# Altium PCB AIWAC_A33_RGB5寸LCD驱动板_20190109.PcbDoc (part 2 of 14)
Units mm, origin at the board's own origin, x right, y up, seen from the top; angles counter-clockwise.
Board outline 96.45 x 44.9 mm, 2 copper layers (Top Layer, Bottom Layer); 32 components, 42 nets, 22766 pads, 749 vias.
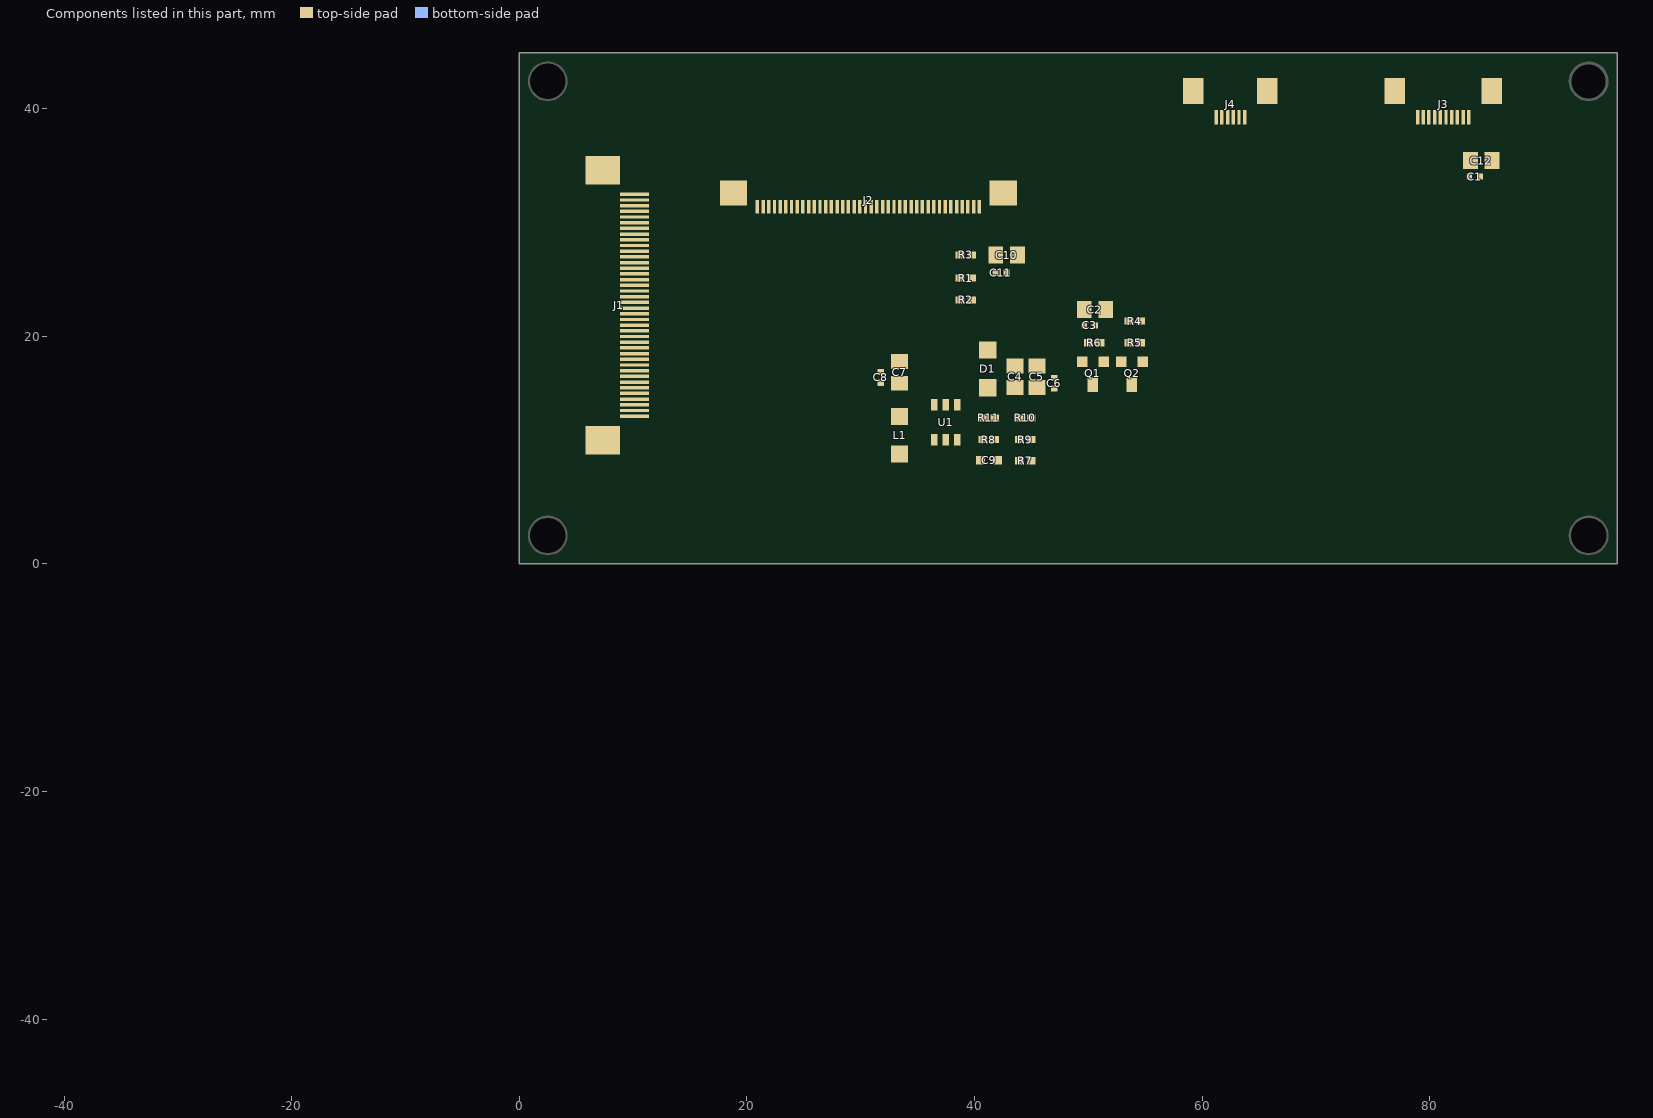
[diagram p2: the components of this part, seen from the top]

## Free pads (board coordinates) (continued)
  round 0 on Mech8: 1(-39.052,-44.118) 1(-39.052,-44.118) 1(-39.052,-44.118) 1(-39.052,-44.113) 1(-39.052,-44.113) 1(-39.052,-44.113) 1(-39.052,-44.123) 1(-39.052,-44.123) 1(-39.052,-44.123) 1(-39.052,-44.123) 1(-39.052,-44.123) 1(-39.052,-44.123) 1(-39.052,-44.118) 1(-39.052,-44.118) 1(-39.052,-44.118) 1(-39.052,-44.117) 1(-39.052,-44.117) 1(-39.052,-44.117) 1(-39.052,-44.117) 1(-39.052,-44.117) 1(-39.052,-44.117) 1(-39.052,-44.113) 1(-39.052,-44.113) 1(-39.052,-44.113) 1(-39.051,-44.123) 1(-39.051,-44.123) 1(-39.051,-44.123) 1(-39.051,-44.118) 1(-39.051,-44.118) 1(-39.051,-44.118) 1(-39.051,-44.117) 1(-39.051,-44.117) 1(-39.051,-44.117) 1(-39.051,-44.113) 1(-39.051,-44.113) 1(-39.051,-44.113) 1(-39.051,-44.111) 1(-39.051,-44.111) 1(-39.051,-44.111) 1(-39.051,-44.111) 1(-39.051,-44.111) 1(-39.051,-44.111) 1(-39.051,-44.103) 1(-39.051,-44.103) 1(-39.051,-44.103) 1(-39.051,-44.103) 1(-39.051,-44.103) 1(-39.051,-44.103) 1(-39.051,-44.123) 1(-39.051,-44.123) 1(-39.051,-44.123) 1(-39.051,-44.123) 1(-39.051,-44.123) 1(-39.051,-44.123) 1(-39.051,-44.118) 1(-39.051,-44.118) 1(-39.051,-44.118) 1(-39.051,-44.118) 1(-39.051,-44.118) 1(-39.051,-44.118) 1(-39.051,-44.117) 1(-39.051,-44.117) 1(-39.051,-44.117) 1(-39.051,-44.117) 1(-39.051,-44.117) 1(-39.051,-44.117) 1(-39.051,-44.113) 1(-39.051,-44.113) 1(-39.051,-44.113) 1(-39.051,-44.113) 1(-39.051,-44.113) 1(-39.051,-44.113) 1(-39.05,-44.122) 1(-39.05,-44.122) 1(-39.05,-44.122) 1(-39.05,-44.12) 1(-39.05,-44.12) 1(-39.05,-44.12) 1(-39.05,-44.116) 1(-39.05,-44.116) 1(-39.05,-44.116) 1(-39.05,-44.114) 1(-39.05,-44.114) 1(-39.05,-44.114) 1(-39.047,-44.139) 1(-39.047,-44.139) 1(-39.047,-44.139) 1(-39.047,-44.139) 1(-39.047,-44.139) 1(-39.047,-44.139) 1(-39.047,-44.137) 1(-39.047,-44.137) 1(-39.047,-44.137) 1(-39.047,-44.137) 1(-39.047,-44.137) 1(-39.047,-44.137) 1(-39.045,-44.122) 1(-39.045,-44.122) 1(-39.045,-44.122) 1(-39.045,-44.116) 1(-39.045,-44.116) 1(-39.045,-44.116) 1(-39.045,-44.111) 1(-39.045,-44.111) 1(-39.045,-44.111) 1(-39.045,-44.111) 1(-39.045,-44.111) 1(-39.045,-44.111) 1(-39.045,-44.109) 1(-39.045,-44.109) 1(-39.045,-44.109) 1(-39.045,-44.105) 1(-39.045,-44.105) 1(-39.045,-44.105) 1(-39.045,-44.103) 1(-39.045,-44.103) 1(-39.045,-44.103) 1(-39.045,-44.103) 1(-39.045,-44.103) 1(-39.045,-44.103) 1(-39.045,-44.12) 1(-39.045,-44.12) 1(-39.045,-44.12) 1(-39.045,-44.114) 1(-39.045,-44.114) 1(-39.045,-44.114) 1(-39.045,-44.104) 1(-39.045,-44.104) 1(-39.045,-44.104) 1(-39.045,-44.104) 1(-39.045,-44.104) 1(-39.045,-44.104) 1(-39.045,-44.103) 1(-39.045,-44.103) 1(-39.045,-44.103) 1(-39.045,-44.102) 1(-39.045,-44.102) 1(-39.045,-44.102) 1(-39.045,-44.101) 1(-39.045,-44.101) 1(-39.045,-44.101) 1(-39.045,-44.101) 1(-39.045,-44.101) 1(-39.045,-44.101) 1(-39.044,-44.139) 1(-39.044,-44.139) 1(-39.044,-44.139) 1(-39.044,-44.139) 1(-39.044,-44.139) 1(-39.044,-44.139) 1(-39.044,-44.137) 1(-39.044,-44.137) 1(-39.044,-44.137) 1(-39.044,-44.137) 1(-39.044,-44.137) 1(-39.044,-44.137) 1(-39.044,-44.104) 1(-39.044,-44.104) 1(-39.044,-44.104) 1(-39.044,-44.104) 1(-39.044,-44.104) 1(-39.044,-44.104) 1(-39.044,-44.103) 1(-39.044,-44.103) 1(-39.044,-44.103) 1(-39.044,-44.102) 1(-39.044,-44.102) 1(-39.044,-44.102) 1(-39.044,-44.101) 1(-39.044,-44.101) 1(-39.044,-44.101) 1(-39.044,-44.101) 1(-39.044,-44.101) 1(-39.044,-44.101) 1(-39.043,-44.104) 1(-39.043,-44.104) 1(-39.043,-44.104) 1(-39.043,-44.104) 1(-39.043,-44.104) 1(-39.043,-44.104) 1(-39.043,-44.103) 1(-39.043,-44.103) 1(-39.043,-44.103) 1(-39.043,-44.102) 1(-39.043,-44.102) 1(-39.043,-44.102) 1(-39.043,-44.101) 1(-39.043,-44.101) 1(-39.043,-44.101) 1(-39.043,-44.101) 1(-39.043,-44.101) 1(-39.043,-44.101) 1(-39.043,-44.138) 1(-39.043,-44.138) 1(-39.043,-44.138) 1(-39.043,-44.138) 1(-39.043,-44.138) 1(-39.043,-44.138) 1(-39.043,-44.137) 1(-39.043,-44.137) 1(-39.043,-44.137) 1(-39.043,-44.136) 1(-39.043,-44.136) 1(-39.043,-44.136) 1(-39.043,-44.135) 1(-39.043,-44.135) 1(-39.043,-44.135) 1(-39.043,-44.135) 1(-39.043,-44.135) 1(-39.043,-44.135) 1(-39.042,-44.127) 1(-39.042,-44.127) 1(-39.042,-44.127) 1(-39.042,-44.127) 1(-39.042,-44.127) 1(-39.042,-44.127) 1(-39.042,-44.126) 1(-39.042,-44.126) 1(-39.042,-44.126) 1(-39.042,-44.125) 1(-39.042,-44.125) 1(-39.042,-44.125) 1(-39.042,-44.124) 1(-39.042,-44.124) 1(-39.042,-44.124) 1(-39.042,-44.124) 1(-39.042,-44.124) 1(-39.042,-44.124) 1(-39.042,-44.104) 1(-39.042,-44.104) 1(-39.042,-44.104) 1(-39.042,-44.104) 1(-39.042,-44.104) 1(-39.042,-44.104) 1(-39.042,-44.103) 1(-39.042,-44.103) 1(-39.042,-44.103) 1(-39.042,-44.102) 1(-39.042,-44.102) 1(-39.042,-44.102) 1(-39.042,-44.101) 1(-39.042,-44.101) 1(-39.042,-44.101) 1(-39.042,-44.101) 1(-39.042,-44.101) 1(-39.042,-44.101) 1(-39.042,-44.135) 1(-39.042,-44.135) 1(-39.042,-44.135) 1(-39.042,-44.135) 1(-39.042,-44.135) 1(-39.042,-44.135) 1(-39.042,-44.133) 1(-39.042,-44.133) 1(-39.042,-44.133) 1(-39.042,-44.133) 1(-39.042,-44.133) 1(-39.042,-44.133) 1(-39.042,-44.141) 1(-39.042,-44.141) 1(-39.042,-44.141) 1(-39.042,-44.141) 1(-39.042,-44.141) 1(-39.042,-44.141) 1(-39.042,-44.14) 1(-39.042,-44.14) 1(-39.042,-44.14) 1(-39.042,-44.139) 1(-39.042,-44.139) 1(-39.042,-44.139) 1(-39.042,-44.138) 1(-39.042,-44.138) 1(-39.042,-44.138) 1(-39.042,-44.138) 1(-39.042,-44.138) 1(-39.042,-44.138) 1(-39.042,-44.138) 1(-39.042,-44.138) 1(-39.042,-44.138) 1(-39.042,-44.138) 1(-39.042,-44.138) 1(-39.042,-44.138) 1(-39.042,-44.137) 1(-39.042,-44.137) 1(-39.042,-44.137) 1(-39.042,-44.136) 1(-39.042,-44.136) 1(-39.042,-44.136) 1(-39.042,-44.135) 1(-39.042,-44.135) 1(-39.042,-44.135) 1(-39.042,-44.135) 1(-39.042,-44.135) 1(-39.042,-44.135) 1(-39.042,-44.106) 1(-39.042,-44.106) 1(-39.042,-44.106) 1(-39.042,-44.106) 1(-39.042,-44.106) 1(-39.042,-44.106) 1(-39.042,-44.105) 1(-39.042,-44.105) 1(-39.042,-44.105) 1(-39.042,-44.105) 1(-39.042,-44.105) 1(-39.042,-44.105) 1(-39.042,-44.138) 1(-39.042,-44.138) 1(-39.042,-44.138) 1(-39.042,-44.138) 1(-39.042,-44.138) 1(-39.042,-44.138) 1(-39.042,-44.137) 1(-39.042,-44.137) 1(-39.042,-44.137) 1(-39.042,-44.136) 1(-39.042,-44.136) 1(-39.042,-44.136) 1(-39.042,-44.135) 1(-39.042,-44.135) 1(-39.042,-44.135) 1(-39.042,-44.135) 1(-39.042,-44.135) 1(-39.042,-44.135) 1(-39.042,-44.131) 1(-39.042,-44.131) 1(-39.042,-44.131) 1(-39.042,-44.131) 1(-39.042,-44.131) 1(-39.042,-44.131) 1(-39.042,-44.13) 1(-39.042,-44.13) 1(-39.042,-44.13) 1(-39.042,-44.129) 1(-39.042,-44.129) 1(-39.042,-44.129) 1(-39.042,-44.128) 1(-39.042,-44.128) 1(-39.042,-44.128) 1(-39.042,-44.128) 1(-39.042,-44.128) 1(-39.042,-44.128) 1(-39.042,-44.102) 1(-39.042,-44.102) 1(-39.042,-44.102) 1(-39.042,-44.102) 1(-39.042,-44.102) 1(-39.042,-44.102) 1(-39.042,-44.101) 1(-39.042,-44.101) 1(-39.042,-44.101) 1(-39.042,-44.101) 1(-39.042,-44.101) 1(-39.042,-44.101) 1(-39.042,-44.1) 1(-39.042,-44.1) 1(-39.042,-44.1) 1(-39.042,-44.1) 1(-39.042,-44.1) 1(-39.042,-44.1) 1(-39.042,-44.099) 1(-39.042,-44.099) 1(-39.042,-44.099) 1(-39.042,-44.099) 1(-39.042,-44.099) 1(-39.042,-44.099) 1(-39.041,-44.096) 1(-39.041,-44.096) 1(-39.041,-44.096) 1(-39.041,-44.096) 1(-39.041,-44.096) 1(-39.041,-44.096) 1(-39.041,-44.095) 1(-39.041,-44.095) 1(-39.041,-44.095) 1(-39.041,-44.095) 1(-39.041,-44.095) 1(-39.041,-44.095) 1(-39.041,-44.127) 1(-39.041,-44.127) 1(-39.041,-44.127) 1(-39.041,-44.127) 1(-39.041,-44.127) 1(-39.041,-44.127) 1(-39.041,-44.126) 1(-39.041,-44.126) 1(-39.041,-44.126) 1(-39.041,-44.125) 1(-39.041,-44.125) 1(-39.041,-44.125) 1(-39.041,-44.124) 1(-39.041,-44.124) 1(-39.041,-44.124) 1(-39.041,-44.124) 1(-39.041,-44.124) 1(-39.041,-44.124) 1(-39.041,-44.135) 1(-39.041,-44.135) 1(-39.041,-44.135) 1(-39.041,-44.133) 1(-39.041,-44.133) 1(-39.041,-44.133) 1(-39.041,-44.106) 1(-39.041,-44.106) 1(-39.041,-44.106) 1(-39.041,-44.105) 1(-39.041,-44.105) 1(-39.041,-44.105) 1(-39.041,-44.127) 1(-39.041,-44.127) 1(-39.041,-44.127) 1(-39.041,-44.127) 1(-39.041,-44.127) 1(-39.041,-44.127) 1(-39.041,-44.126) 1(-39.041,-44.126) 1(-39.041,-44.126) 1(-39.041,-44.125) 1(-39.041,-44.125) 1(-39.041,-44.125) 1(-39.041,-44.124) 1(-39.041,-44.124) 1(-39.041,-44.124) 1(-39.041,-44.124) 1(-39.041,-44.124) 1(-39.041,-44.124) 1(-39.041,-44.141) 1(-39.041,-44.141) 1(-39.041,-44.141) 1(-39.041,-44.141) 1(-39.041,-44.141) 1(-39.041,-44.141) 1(-39.041,-44.14) 1(-39.041,-44.14) 1(-39.041,-44.14) 1(-39.041,-44.139) 1(-39.041,-44.139) 1(-39.041,-44.139) 1(-39.041,-44.138) 1(-39.041,-44.138) 1(-39.041,-44.138) 1(-39.041,-44.138) 1(-39.041,-44.138) 1(-39.041,-44.138) 1(-39.04,-44.141) 1(-39.04,-44.141) 1(-39.04,-44.141) 1(-39.04,-44.141) 1(-39.04,-44.141) 1(-39.04,-44.141) 1(-39.04,-44.14) 1(-39.04,-44.14) 1(-39.04,-44.14) 1(-39.04,-44.139) 1(-39.04,-44.139) 1(-39.04,-44.139) 1(-39.04,-44.138) 1(-39.04,-44.138) 1(-39.04,-44.138) 1(-39.04,-44.138) 1(-39.04,-44.138) 1(-39.04,-44.138) 1(-39.04,-44.138) 1(-39.04,-44.138) 1(-39.04,-44.138) 1(-39.04,-44.138) 1(-39.04,-44.138) 1(-39.04,-44.138) 1(-39.04,-44.137) 1(-39.04,-44.137) 1(-39.04,-44.137) 1(-39.04,-44.136) 1(-39.04,-44.136) 1(-39.04,-44.136) 1(-39.04,-44.135) 1(-39.04,-44.135) 1(-39.04,-44.135) 1(-39.04,-44.135) 1(-39.04,-44.135) 1(-39.04,-44.135) 1(-39.04,-44.131) 1(-39.04,-44.131) 1(-39.04,-44.131) 1(-39.04,-44.131) 1(-39.04,-44.131) 1(-39.04,-44.131) 1(-39.04,-44.13) 1(-39.04,-44.13) 1(-39.04,-44.13) 1(-39.04,-44.129) 1(-39.04,-44.129) 1(-39.04,-44.129) 1(-39.04,-44.128) 1(-39.04,-44.128) 1(-39.04,-44.128) 1(-39.04,-44.128) 1(-39.04,-44.128) 1(-39.04,-44.128) 1(-39.04,-44.135) 1(-39.04,-44.135) 1(-39.04,-44.135) 1(-39.04,-44.133) 1(-39.04,-44.133) 1(-39.04,-44.133) 1(-39.04,-44.096) 1(-39.04,-44.096) 1(-39.04,-44.096) 1(-39.04,-44.095) 1(-39.04,-44.095) 1(-39.04,-44.095) 1(-39.04,-44.106) 1(-39.04,-44.106) 1(-39.04,-44.106) 1(-39.04,-44.105) 1(-39.04,-44.105) 1(-39.04,-44.105) 1(-39.04,-44.127) 1(-39.04,-44.127) 1(-39.04,-44.127) 1(-39.04,-44.127) 1(-39.04,-44.127) 1(-39.04,-44.127) 1(-39.04,-44.126) 1(-39.04,-44.126) 1(-39.04,-44.126) 1(-39.04,-44.125) 1(-39.04,-44.125) 1(-39.04,-44.125) 1(-39.04,-44.124) 1(-39.04,-44.124) 1(-39.04,-44.124) 1(-39.04,-44.124) 1(-39.04,-44.124) 1(-39.04,-44.124) 1(-39.039,-44.127) 1(-39.039,-44.127) 1(-39.039,-44.127) 1(-39.039,-44.127) 1(-39.039,-44.127) 1(-39.039,-44.127) 1(-39.039,-44.126) 1(-39.039,-44.126) 1(-39.039,-44.126) 1(-39.039,-44.125) 1(-39.039,-44.125) 1(-39.039,-44.125) 1(-39.039,-44.124) 1(-39.039,-44.124) 1(-39.039,-44.124) 1(-39.039,-44.124) 1(-39.039,-44.124) 1(-39.039,-44.124) 1(-39.039,-44.096) 1(-39.039,-44.096) 1(-39.039,-44.096) 1(-39.039,-44.095) 1(-39.039,-44.095) 1(-39.039,-44.095) 1(-39.039,-44.137) 1(-39.039,-44.137) 1(-39.039,-44.137) 1(-39.039,-44.141) 1(-39.039,-44.141) 1(-39.039,-44.141) 1(-39.039,-44.141) 1(-39.039,-44.141) 1(-39.039,-44.141) 1(-39.039,-44.14) 1(-39.039,-44.14) 1(-39.039,-44.14) 1(-39.039,-44.139) 1(-39.039,-44.139) 1(-39.039,-44.139) 1(-39.039,-44.138) 1(-39.039,-44.138) 1(-39.039,-44.138) 1(-39.039,-44.138) 1(-39.039,-44.138) 1(-39.039,-44.138) 1(-39.039,-44.135) 1(-39.039,-44.135) 1(-39.039,-44.135) 1(-39.039,-44.135) 1(-39.039,-44.135) 1(-39.039,-44.135) 1(-39.039,-44.133) 1(-39.039,-44.133) 1(-39.039,-44.133) 1(-39.039,-44.133) 1(-39.039,-44.133) 1(-39.039,-44.133) 1(-39.039,-44.106) 1(-39.039,-44.106) 1(-39.039,-44.106) 1(-39.039,-44.106) 1(-39.039,-44.106) 1(-39.039,-44.106) 1(-39.039,-44.105) 1(-39.039,-44.105) 1(-39.039,-44.105) 1(-39.039,-44.105) 1(-39.039,-44.105) 1(-39.039,-44.105) 1(-39.039,-44.138) 1(-39.039,-44.138) 1(-39.039,-44.138) 1(-39.039,-44.137) 1(-39.039,-44.137) 1(-39.039,-44.137) 1(-39.039,-44.106) 1(-39.039,-44.106) 1(-39.039,-44.106) 1(-39.039,-44.106) 1(-39.039,-44.106) 1(-39.039,-44.106) 1(-39.039,-44.105) 1(-39.039,-44.105) 1(-39.039,-44.105) 1(-39.039,-44.105) 1(-39.039,-44.105) 1(-39.039,-44.105) 1(-39.039,-44.137) 1(-39.039,-44.137) 1(-39.039,-44.137) 1(-39.039,-44.137) 1(-39.039,-44.137) 1(-39.039,-44.137) 1(-39.039,-44.137) 1(-39.039,-44.137) 1(-39.039,-44.137) 1(-39.038,-44.096) 1(-39.038,-44.096) 1(-39.038,-44.096) 1(-39.038,-44.096) 1(-39.038,-44.096) 1(-39.038,-44.096) 1(-39.038,-44.095) 1(-39.038,-44.095) 1(-39.038,-44.095) 1(-39.038,-44.095) 1(-39.038,-44.095) 1(-39.038,-44.095) 1(-39.038,-44.096) 1(-39.038,-44.096) 1(-39.038,-44.096) 1(-39.038,-44.096) 1(-39.038,-44.096) 1(-39.038,-44.096) 1(-39.038,-44.095) 1(-39.038,-44.095) 1(-39.038,-44.095) 1(-39.038,-44.095) 1(-39.038,-44.095) 1(-39.038,-44.095) 1(-39.038,-44.113) 1(-39.038,-44.113) 1(-39.038,-44.113) 1(-39.038,-44.113) 1(-39.038,-44.113) 1(-39.038,-44.113) 1(-39.038,-44.112) 1(-39.038,-44.112) 1(-39.038,-44.112) 1(-39.038,-44.112) 1(-39.038,-44.112) 1(-39.038,-44.112) 1(-39.038,-44.127) 1(-39.038,-44.127) 1(-39.038,-44.127) 1(-39.038,-44.127) 1(-39.038,-44.127) 1(-39.038,-44.127) 1(-39.038,-44.126) 1(-39.038,-44.126) 1(-39.038,-44.126) 1(-39.038,-44.125) 1(-39.038,-44.125) 1(-39.038,-44.125) 1(-39.038,-44.124) 1(-39.038,-44.124) 1(-39.038,-44.124) 1(-39.038,-44.124) 1(-39.038,-44.124) 1(-39.038,-44.124) 1(-39.038,-44.106) 1(-39.038,-44.106) 1(-39.038,-44.106) 1(-39.038,-44.105) 1(-39.038,-44.105) 1(-39.038,-44.105) 1(-39.037,-44.119) 1(-39.037,-44.119) 1(-39.037,-44.119) 1(-39.037,-44.119) 1(-39.037,-44.119) 1(-39.037,-44.119) 1(-39.037,-44.118) 1(-39.037,-44.118) 1(-39.037,-44.118) 1(-39.037,-44.117) 1(-39.037,-44.117) 1(-39.037,-44.117) 1(-39.037,-44.116) 1(-39.037,-44.116) 1(-39.037,-44.116) 1(-39.037,-44.116) 1(-39.037,-44.116) 1(-39.037,-44.116) 1(-39.037,-44.096) 1(-39.037,-44.096) 1(-39.037,-44.096) 1(-39.037,-44.095) 1(-39.037,-44.095) 1(-39.037,-44.095) 1(-39.037,-44.113) 1(-39.037,-44.113) 1(-39.037,-44.113) 1(-39.037,-44.112) 1(-39.037,-44.112) 1(-39.037,-44.112) 1(-39.037,-44.106) 1(-39.037,-44.106) 1(-39.037,-44.106) 1(-39.037,-44.105) 1(-39.037,-44.105) 1(-39.037,-44.105) 1(-39.037,-44.141) 1(-39.037,-44.141) 1(-39.037,-44.141) 1(-39.037,-44.141) 1(-39.037,-44.141) 1(-39.037,-44.141) 1(-39.037,-44.14) 1(-39.037,-44.14) 1(-39.037,-44.14) 1(-39.037,-44.139) 1(-39.037,-44.139) 1(-39.037,-44.139) 1(-39.037,-44.138) 1(-39.037,-44.138) 1(-39.037,-44.138) 1(-39.037,-44.138) 1(-39.037,-44.138) 1(-39.037,-44.138) 1(-39.036,-44.102) 1(-39.036,-44.102) 1(-39.036,-44.102) 1(-39.036,-44.102) 1(-39.036,-44.102) 1(-39.036,-44.102) 1(-39.036,-44.099) 1(-39.036,-44.099) 1(-39.036,-44.099) 1(-39.036,-44.099) 1(-39.036,-44.099) 1(-39.036,-44.099) 1(-39.036,-44.096) 1(-39.036,-44.096) 1(-39.036,-44.096) 1(-39.036,-44.095) 1(-39.036,-44.095) 1(-39.036,-44.095) 1(-39.036,-44.113) 1(-39.036,-44.113) 1(-39.036,-44.113) 1(-39.036,-44.112) 1(-39.036,-44.112) 1(-39.036,-44.112) 1(-39.036,-44.106) 1(-39.036,-44.106) 1(-39.036,-44.106) 1(-39.036,-44.106) 1(-39.036,-44.106) 1(-39.036,-44.106) 1(-39.036,-44.105) 1(-39.036,-44.105) 1(-39.036,-44.105) 1(-39.036,-44.105) 1(-39.036,-44.105) 1(-39.036,-44.105) 1(-39.036,-44.119) 1(-39.036,-44.119) 1(-39.036,-44.119) 1(-39.036,-44.119) 1(-39.036,-44.119) 1(-39.036,-44.119) 1(-39.036,-44.118) 1(-39.036,-44.118) 1(-39.036,-44.118) 1(-39.036,-44.117) 1(-39.036,-44.117) 1(-39.036,-44.117) 1(-39.036,-44.116) 1(-39.036,-44.116) 1(-39.036,-44.116) 1(-39.036,-44.116) 1(-39.036,-44.116) 1(-39.036,-44.116) 1(-39.036,-44.127) 1(-39.036,-44.127) 1(-39.036,-44.127) 1(-39.036,-44.127) 1(-39.036,-44.127) 1(-39.036,-44.127) 1(-39.036,-44.126) 1(-39.036,-44.126) 1(-39.036,-44.126) 1(-39.036,-44.125) 1(-39.036,-44.125) 1(-39.036,-44.125) 1(-39.036,-44.124) 1(-39.036,-44.124) 1(-39.036,-44.124) 1(-39.036,-44.124) 1(-39.036,-44.124) 1(-39.036,-44.124) 1(-39.035,-44.096) 1(-39.035,-44.096) 1(-39.035,-44.096) 1(-39.035,-44.096) 1(-39.035,-44.096) 1(-39.035,-44.096) 1(-39.035,-44.095) 1(-39.035,-44.095) 1(-39.035,-44.095) 1(-39.035,-44.095) 1(-39.035,-44.095) 1(-39.035,-44.095) 1(-39.035,-44.113) 1(-39.035,-44.113) 1(-39.035,-44.113) 1(-39.035,-44.113) 1(-39.035,-44.113) 1(-39.035,-44.113) 1(-39.035,-44.112) 1(-39.035,-44.112) 1(-39.035,-44.112) 1(-39.035,-44.112) 1(-39.035,-44.112) 1(-39.035,-44.112) 1(-39.035,-44.141) 1(-39.035,-44.141) 1(-39.035,-44.141) 1(-39.035,-44.141) 1(-39.035,-44.141) 1(-39.035,-44.141) 1(-39.035,-44.14) 1(-39.035,-44.14) 1(-39.035,-44.14) 1(-39.035,-44.139) 1(-39.035,-44.139) 1(-39.035,-44.139) 1(-39.035,-44.138) 1(-39.035,-44.138) 1(-39.035,-44.138) 1(-39.035,-44.138) 1(-39.035,-44.138) 1(-39.035,-44.138) 1(-39.035,-44.141) 1(-39.035,-44.141) 1(-39.035,-44.141) 1(-39.035,-44.141) 1(-39.035,-44.141) 1(-39.035,-44.141) 1(-39.035,-44.14) 1(-39.035,-44.14) 1(-39.035,-44.14) 1(-39.035,-44.139) 1(-39.035,-44.139) 1(-39.035,-44.139) 1(-39.035,-44.138) 1(-39.035,-44.138) 1(-39.035,-44.138) 1(-39.035,-44.138) 1(-39.035,-44.138) 1(-39.035,-44.138) 1(-39.034,-44.119) 1(-39.034,-44.119) 1(-39.034,-44.119) 1(-39.034,-44.119) 1(-39.034,-44.119) 1(-39.034,-44.119) 1(-39.034,-44.118) 1(-39.034,-44.118) 1(-39.034,-44.118) 1(-39.034,-44.117) 1(-39.034,-44.117) 1(-39.034,-44.117) 1(-39.034,-44.116) 1(-39.034,-44.116) 1(-39.034,-44.116) 1(-39.034,-44.116) 1(-39.034,-44.116) 1(-39.034,-44.116) 1(-39.034,-44.127) 1(-39.034,-44.127) 1(-39.034,-44.127) 1(-39.034,-44.127) 1(-39.034,-44.127) 1(-39.034,-44.127) 1(-39.034,-44.126) 1(-39.034,-44.126) 1(-39.034,-44.126) 1(-39.034,-44.125) 1(-39.034,-44.125) 1(-39.034,-44.125) 1(-39.034,-44.124) 1(-39.034,-44.124) 1(-39.034,-44.124) 1(-39.034,-44.124) 1(-39.034,-44.124) 1(-39.034,-44.124) 1(-39.034,-44.141) 1(-39.034,-44.141) 1(-39.034,-44.141) 1(-39.034,-44.141) 1(-39.034,-44.141) 1(-39.034,-44.141) 1(-39.034,-44.14) 1(-39.034,-44.14) 1(-39.034,-44.14) 1(-39.034,-44.139) 1(-39.034,-44.139) 1(-39.034,-44.139) 1(-39.034,-44.138) 1(-39.034,-44.138) 1(-39.034,-44.138) 1(-39.034,-44.138) 1(-39.034,-44.138) 1(-39.034,-44.138) 1(-39.034,-44.136) 1(-39.034,-44.136) 1(-39.034,-44.136) 1(-39.034,-44.136) 1(-39.034,-44.136) 1(-39.034,-44.136) 1(-39.034,-44.135) 1(-39.034,-44.135) 1(-39.034,-44.135) 1(-39.034,-44.134) 1(-39.034,-44.134) 1(-39.034,-44.134) 1(-39.034,-44.133) 1(-39.034,-44.133) 1(-39.034,-44.133) 1(-39.034,-44.133) 1(-39.034,-44.133) 1(-39.034,-44.133) 1(-39.034,-44.133) 1(-39.034,-44.133) 1(-39.034,-44.133) 1(-39.034,-44.133) 1(-39.034,-44.133) 1(-39.034,-44.133) 1(-39.034,-44.132) 1(-39.034,-44.132) 1(-39.034,-44.132) 1(-39.034,-44.131) 1(-39.034,-44.131) 1(-39.034,-44.131) 1(-39.034,-44.13) 1(-39.034,-44.13) 1(-39.034,-44.13) 1(-39.034,-44.13) 1(-39.034,-44.13) 1(-39.034,-44.13) 1(-39.034,-44.13) 1(-39.034,-44.13) 1(-39.034,-44.13) 1(-39.034,-44.13) 1(-39.034,-44.13) 1(-39.034,-44.13) 1(-39.034,-44.129) 1(-39.034,-44.129) 1(-39.034,-44.129) 1(-39.034,-44.128) 1(-39.034,-44.128) 1(-39.034,-44.128) 1(-39.034,-44.127) 1(-39.034,-44.127) 1(-39.034,-44.127) 1(-39.034,-44.127) 1(-39.034,-44.127) 1(-39.034,-44.127) 1(-39.034,-44.127) 1(-39.034,-44.127) 1(-39.034,-44.127) 1(-39.034,-44.127) 1(-39.034,-44.127) 1(-39.034,-44.127) 1(-39.034,-44.126) 1(-39.034,-44.126) 1(-39.034,-44.126) 1(-39.034,-44.125) 1(-39.034,-44.125) 1(-39.034,-44.125) 1(-39.034,-44.124) 1(-39.034,-44.124) 1(-39.034,-44.124) 1(-39.034,-44.124) 1(-39.034,-44.124) 1(-39.034,-44.124) 1(-39.034,-44.141) 1(-39.034,-44.141) 1(-39.034,-44.141) 1(-39.034,-44.141) 1(-39.034,-44.141) 1(-39.034,-44.141) 1(-39.034,-44.14) 1(-39.034,-44.14) 1(-39.034,-44.14) 1(-39.034,-44.139) 1(-39.034,-44.139) 1(-39.034,-44.139) 1(-39.034,-44.138) 1(-39.034,-44.138) 1(-39.034,-44.138) 1(-39.034,-44.138) 1(-39.034,-44.138) 1(-39.034,-44.138) 1(-39.033,-44.123) 1(-39.033,-44.123) 1(-39.033,-44.123) 1(-39.033,-44.123) 1(-39.033,-44.123) 1(-39.033,-44.123) 1(-39.033,-44.122) 1(-39.033,-44.122) 1(-39.033,-44.122) 1(-39.033,-44.119) 1(-39.033,-44.119) 1(-39.033,-44.119) 1(-39.033,-44.119) 1(-39.033,-44.119) 1(-39.033,-44.119) 1(-39.033,-44.118) 1(-39.033,-44.118) 1(-39.033,-44.118) 1(-39.033,-44.117) 1(-39.033,-44.117) 1(-39.033,-44.117) 1(-39.033,-44.116) 1(-39.033,-44.116) 1(-39.033,-44.116) 1(-39.033,-44.116) 1(-39.033,-44.116) 1(-39.033,-44.116) 1(-39.033,-44.102) 1(-39.033,-44.102) 1(-39.033,-44.102) 1(-39.033,-44.102) 1(-39.033,-44.102) 1(-39.033,-44.102) 1(-39.033,-44.101) 1(-39.033,-44.101) 1(-39.033,-44.101) 1(-39.033,-44.101) 1(-39.033,-44.101) 1(-39.033,-44.101) 1(-39.033,-44.1) 1(-39.033,-44.1) 